# Altium PCB LimeSDR-PCIe_1v2.PcbDoc (part 4 of 9) (continued)
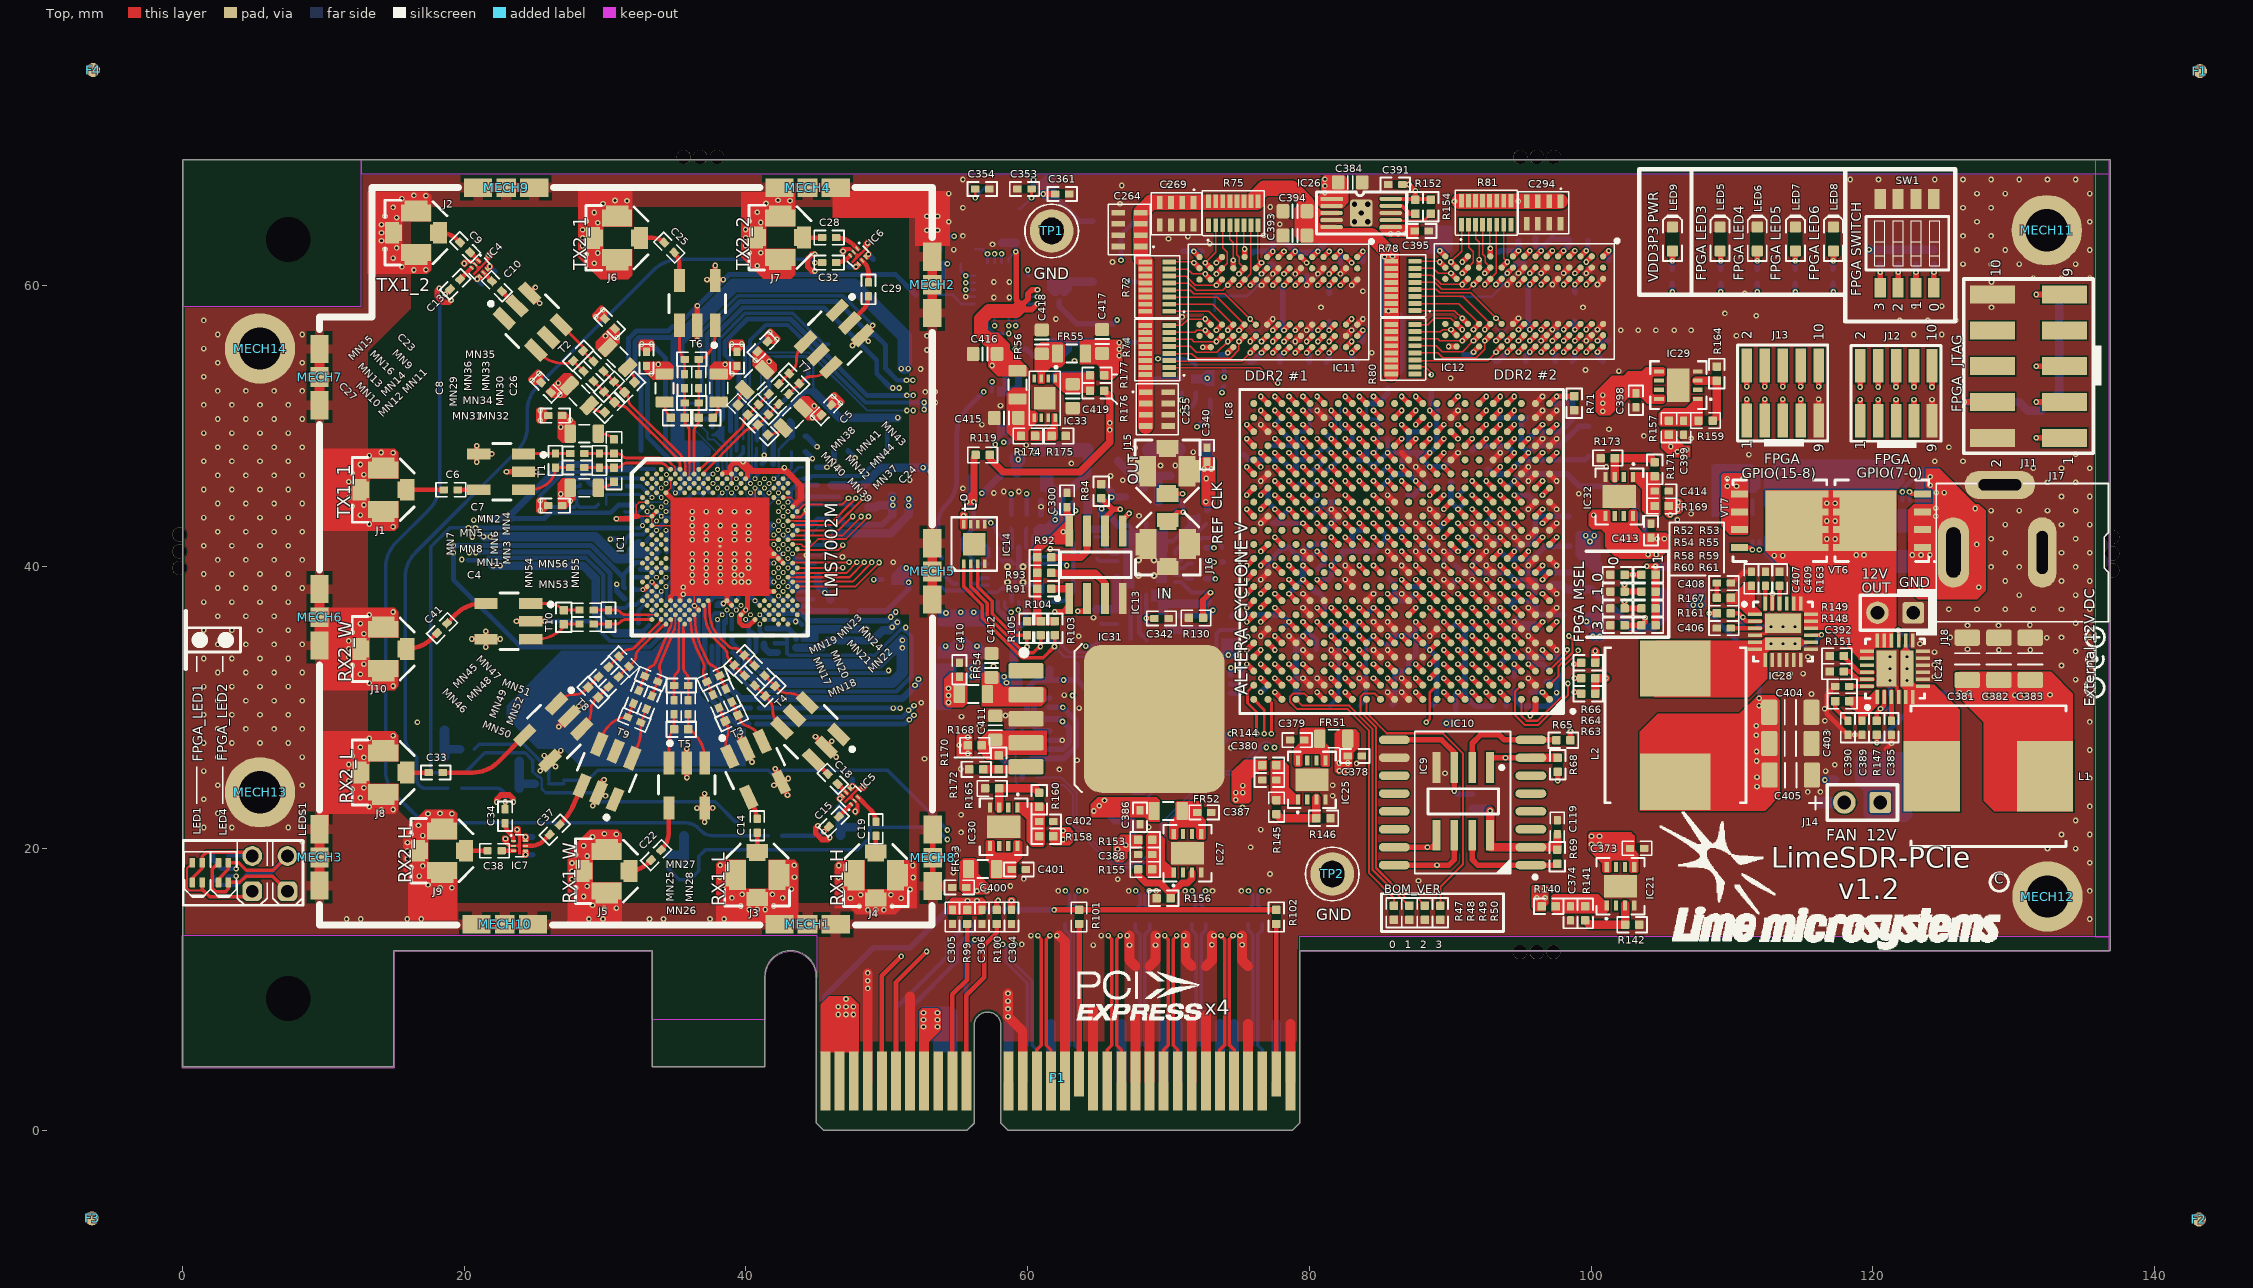
[diagram p0: Top view]
## Nets (pads, with @x,y where several pads share a name; then routed paths per layer and width w, separated by ;. In a path a pad name is that pad's centre, name@x,y a point inside that pad or via, vN(x,y) a via of type N, cw(c..) or ccw(c..) an arc to the next point about the centre after c; other vN are vias at no path point) (continued)
  Top w0.11: 32.225,43.675 32.225,44.4 32.421,44.596 IC1.H2@32.987,44.596 IC1.H2@32.99,44.599 ; 32.303,43.597 IC1.L3@33.32,43.597 ; IC1.N3@33.32,42.931 36.65,42.931 36.695,42.931 38.179,41.447 38.664,41.932 ; IC1.N3@33.323,43.03 IC1.L3@33.323,43.597 ; IC1.F6@34.319,45.262 34.652,45.595 IC1.C7@34.652,46.261 ; IC1.AK12@36.317,37.27 36.317,39.585 ; IC1.D20@38.981,45.928 IC1.B20@38.981,46.594 ; v2(40.646,45.595) 40.646,43.914 39.171,42.439 38.664,41.932 ; IC1.T30@42.311,41.932 38.664,41.932 ; IC1.G31@42.644,44.929 43.196,44.929 43.449,44.676 43.449,44.402
  Top w0.2: IC28.4@112,35.15 112.1,35.25 112.325,35.25 112.475,35.4 113.025,35.4 IC28.25@113.625,36 ; IC24.25@120.974,32.776 121.574,32.176 121.574,31.626 121.724,31.476 121.724,31.251 IC24.4@121.824,31.151
  Top w0.3: IC1.L3@33.32,43.597 IC1.K4@33.653,43.93 ; IC1.J33@43.31,44.263 43.449,44.402
  Top w0.325: C406.2@108.925,35.65 C406.2@109.044,35.65 ; C408.2@109.925,38.75 110.825,39.65 C407.2@111.325,39.65 ; C392.2@117.324,31.526 116.724,30.926 116.724,29.576 118.224,28.076 C389.2@119.082,28.076 ; 120.92,27.071 v1(121.324,27.476) C385.2@121.324,28.076 C385.2@121.324,28.195
  Top w0.35: v1(20.531,34.881) T10.4@21.531,34.881 ; v1(21.531,34.306) T10.4@21.531,34.881 ; v1(21.531,35.431) T10.4@21.531,34.881 ; v1(22.556,34.881) T10.4@21.531,34.881 ; v1(25.051,59.842) 24.644,59.434 v1(25.351,58.722) ; v1(25.399,25.532) T8.4@26.069,26.224 ; v1(25.674,26.607) T8.4@26.069,26.224 ; T8.4@26.096,26.252 T8.4@26.069,26.224 ; T8.4@26.152,26.236 v1(26.849,26.957) ; v1@26.395,25.91 T8.4@26.069,26.224 ; v1(29.127,23.042) T9.2@29.361,23.539 ; T9.2@29.529,23.976 v1(30.027,23.742) ; IC1.F6@34.319,45.262 36.65,42.931 ; IC1.AJ7@34.652,37.603 34.652,37.92 35.318,38.586 ; IC1.AJ9@35.318,37.603 35.318,38.586 ; IC1.AK12@36.317,37.27 IC1.AL13@36.65,36.937 ; v1(36.517,22.875) T5.4@37.069,22.893 ; T5.4@37.061,22.9 v1(37.065,23.904) ; v1(37.065,21.889) T5.4@37.069,22.893 ; v1(37.645,22.893) T5.4@37.069,22.893 ; IC1.B18@38.315,46.594 38.432,46.711 IC1.B20@38.864,46.711 ; IC1.AK20@38.981,37.27 IC1.AJ19@38.648,37.603 38.648,40.978 ; 39.5,47.377 39.614,47.264 40.097,46.78 40.097,46.407 39.965,46.276 IC1.C23@39.98,46.261 ; 40.45,46.806 40.45,46.9 39.85,47.5 39.251,47.5 38.864,47.113 IC1.B20@38.864,46.711 ; IC1.AN25@40.646,36.271 40.196,35.821 39.794,35.821 39.53,36.084 39.53,36.487 v2(39.98,36.937) 40.097,37.054 40.097,39.529 ; 41.464,41.447 IC1.W29@41.978,40.933 IC1.Y30@42.311,40.6 IC1.AA31@42.644,40.267 ; IC1.AG29@41.978,38.269 41.357,38.269 40.097,39.529 ; 43.449,44.402 43.899,44.852 ; T4.2@45.876,27.406 v1(46.092,27.622) ; v1(47.566,55.719) T7.3@48.278,56.426 ; T7.3@48.273,56.431 T7.3@48.278,56.426 ; T7.3@48.278,56.437 v1(48.991,57.144) ; v1(48.686,56.019) T7.3@48.278,56.426 ; 35.318,38.586 36.171,39.439 36.317,39.585 38.179,41.447 38.648,40.978 ; 38.648,40.978 40.097,39.529 ; IC1.B20@38.864,46.711 38.894,46.711 38.951,46.653 38.951,46.594 38.864,46.681 IC1.B20@38.864,46.711
  Top w0.4: v1(18.225,59.775) 18.075,59.625 18.075,59.218 18.5,58.793 18.907,58.793 v1(19.057,58.943) ; T1.6@20.879,48.022 T1.6@20.883,48.026 ; v1(20.884,47.447) 20.884,48.022 v1(20.884,48.597) ; T1.6@20.886,48.018 20.89,48.022 v1(21.959,48.022) ; v1(22.312,23.306) 22.312,23.518 22.6,23.806 23.2,23.806 23.488,23.518 v1(23.488,23.306) ; v1(23,46.752) 24.07,46.752 v1(25.139,46.752) ; v1(23.706,36.137) v1(25.731,36.137) ; T8.4@26.096,26.252 T8.4@26.449,26.605 ; v1(26.705,28.657) T8.2@27.447,29.399 ; T9.2@29.529,23.976 29.852,24.299 29.852,24.817 v1(29.927,24.892) ; v1(30.8,43.425) 31.85,43.425 32.022,43.597 32.303,43.597 ; T5.2@35.795,26.302 v1(35.795,27.102) ; v1(35.803,25.043) T5.2@35.803,25.843 ; v1(36.544,56.081) T6.2@36.544,57.151 ; T6.2@36.55,57.475 v1(36.55,58.545) ; v1(37.236,60.399) 37.811,60.399 v1(38.386,60.399) ; T6.6@37.814,60.331 v1(37.815,61.401) ; v1(39.549,28.001) 39.984,27.068 T3.2@40.308,26.373 ; T3.2@39.665,27.779 39.994,27.073 v1(40.424,26.151) ; v1(41.986,24.503) 42.492,24.739 T3.4@42.508,24.747 ; v1(42.074,25.676) T3.4@42.508,24.747 ; T3.4@42.19,25.429 T3.4@42.508,24.747 ; T3.4@42.833,24.048 42.512,24.738 T3.4@42.508,24.747 ; v1(42.949,23.801) 42.512,24.738 T3.4@42.508,24.747 ; v1(42.999,24.976) T3.4@42.508,24.747 ; v1(44.894,61.012) 44.682,61.012 44.394,61.3 44.394,61.9 44.682,62.188 v1(44.894,62.188) ; v1(44.939,27.954) T4.2@45.505,27.388 ; v1(45.113,21.626) 44.963,21.476 44.963,21.069 45.387,20.645 45.795,20.645 v1(45.945,20.795) ; T4.2@45.836,27.07 v1(46.402,26.504) ; MECH8.1@53.25,17.35 MECH8.1@53.25,19.35 MECH8.1@53.25,21.35 ; v1(72.434,55.6) IC11.P9@73,55.6 ; v1(73.4,61.6) IC11.N1@73.8,62 ; v1(76.55,33.1) IC8.C21@77.05,32.6 ; v1(76.55,35.1) IC8.F21@77.05,35.6 ; v1(76.55,39.1) IC8.K21@77.05,39.6 ; v1(76.55,43.1) IC8.P21@77.05,43.6 ; v1(76.55,46.1) IC8.U21@77.05,46.6 ; v1(76.55,50.1) IC8.Y21@77.05,49.6 ; v1(76.6,60) IC11.J3@77,60.4 ; IC11.J7@77,57.2 v1(77.4,57.6) ; v1(77.4,56) IC11.H8@77.8,56.4 ; v1(77.4,60.8) IC11.H2@77.8,61.2 ; v1(78.55,35.1) IC8.E19@79.05,34.6 ; v1(78.55,48.1) IC8.V19@79.05,47.6 ; v1(79,56) IC11.F8@79.4,56.4 ; v1(79,60.8) IC11.F2@79.4,61.2 ; v1(79.55,32.1) IC8.B18@80.05,31.6 ; v1(79.55,34.1) IC8.D18@80.05,33.6 ; v1(79.55,37.1) IC8.G18@80.05,36.6 ; v1(79.55,38.1) IC8.H18@80.05,37.6 ; v1(79.55,41.1) IC8.L18@80.05,40.6 ; v1(79.55,44.1) IC8.P18@80.05,43.6 ; v1(79.8,56.8) IC11.E7@80.2,57.2 ; v1(79.8,60) IC11.E3@80.2,60.4 ; v1(80.55,32.1) IC8.B17@81.05,31.6 ; v1(80.55,47.1) IC8.U17@81.05,46.6 ; v1(80.55,51.1) IC8.AA17@81.05,50.6 ; v1(80.6,56) IC11.D8@81,56.4 ; v1(80.6,60.8) IC11.D2@81,61.2 ; v1(81.55,34.1) IC8.D16@82.05,33.6 ; v1(81.55,44.1) IC8.P16@82.05,43.6 ; v1(82.2,60.8) IC11.B2@82.6,61.2 ; v1(82.55,36.1) IC8.F15@83.05,35.6 ; v1(82.55,39.1) IC8.J15@83.05,38.6 ; v1(82.55,40.1) IC8.K15@83.05,39.6 ; IC11.B8@82.6,56.4 v1(83,56.8) ; v1(83,60) IC11.A3@83.4,60.4 ; IC11.A7@83.4,57.2 v1(83.8,57.6) ; v1(83.55,32.1) IC8.B14@84.05,31.6 ; v1(83.55,48.1) IC8.V14@84.05,47.6 ; v1(83.55,51.1) IC8.AA14@84.05,50.6 ; IC8.H14@84.05,37.6 v1(84.55,38.1) ; v1(84.55,34.1) IC8.D13@85.05,33.6 ; v1(84.55,36.1) IC8.F13@85.05,35.6 ; v1(85.55,31.1) IC8.A12@86.05,30.6 ; v1(85.55,34.1) IC8.D12@86.05,33.6 ; v1(85.55,36.1) IC8.F12@86.05,35.6 ; v1(85.55,41.1) IC8.L12@86.05,40.6 ; v1(85.55,45.1) IC8.R12@86.05,44.6 ; v1(86.55,31.1) IC8.A11@87.05,30.6 ; v1(86.55,32.1) IC8.B11@87.05,31.6 ; v1(86.55,38.1) IC8.H11@87.05,37.6 ; v1(86.55,40.1) IC8.K11@87.05,39.6 ; 86.55,48.1 IC8.V11@87.05,47.6 ; IC8.AA11@87.05,50.6 v1(87.55,51.1) ; v1(87.55,41.1) IC8.L10@88.05,40.6 ; v1(87.55,43.1) IC8.N10@88.05,42.6 ; v1(87.55,47.1) IC8.U10@88.05,46.6 ; v1(88.55,35.1) IC8.F9@89.05,35.6 ; v1(88.55,42.1) IC8.M9@89.05,41.6 ; v1(88.55,44.1) IC8.P9@89.05,43.6 ; v1(89.55,32.1) IC8.B8@90.05,31.6 ; v1(89.55,39.1) IC8.J8@90.05,38.6 ; v1(89.55,41.1) IC8.L8@90.05,40.6 ; v1(89.884,55.65) IC12.P9@90.45,55.65 ; IC8.V8@90.05,47.6 v1(90.55,48.1) ; IC8.AA8@90.05,50.6 v1(90.55,51.1) ; v1(90.55,35.1) IC8.E7@91.05,34.6 ; v1(90.85,61.65) IC12.N1@91.25,62.05 ; v1(91.55,39.1) IC8.J6@92.05,38.6 ; v1(91.55,43.1) IC8.N6@92.05,42.6 ; v1(91.55,45.1) IC8.R6@92.05,44.6 ; IC8.L6@92.05,40.6 v1(92.55,41.1) ; v1(92.55,32.1) IC8.B5@93.05,31.6 ; v1(92.55,38.1) IC8.H5@93.05,37.6 ; v1(92.55,40.1) IC8.K5@93.05,39.6 ; v1(92.55,42.1) IC8.M5@93.05,41.6 ; IC8.V5@93.05,47.6 v1(93.55,48.1) ; IC8.AA5@93.05,50.6 v1(93.55,51.1) ; v1(93.55,43.1) IC8.N4@94.05,42.6 ; v1(93.55,46.1) IC8.T4@94.05,45.6 ; v1(94.05,60.05) IC12.J3@94.45,60.45 ; IC12.J7@94.45,57.25 v1(94.85,57.65) ; v1(94.55,36.1) IC8.F3@95.05,35.6 ; v1(94.55,42.1) IC8.M3@95.05,41.6 ; v1(94.85,56.05) IC12.H8@95.25,56.45 ; v1(94.85,60.85) IC12.H2@95.25,61.25 ; IC8.U3@95.05,46.6 v1(95.55,47.1) ; v1(95.55,32.1) IC8.B2@96.05,31.6 ; v1(95.55,34.1) IC8.D2@96.05,33.6 ; v1(95.55,35.1) IC8.E2@96.05,34.6 ; v1(95.55,37.1) IC8.G2@96.05,36.6 ; 95.55,39.1 IC8.J2@96.05,38.6 ; v1(95.55,40.1) IC8.L2@96.05,40.6 ; v1(95.55,42.1) IC8.N2@96.05,42.6 ; v1(95.55,44.1) IC8.R2@96.05,44.6 ; v1(95.55,46.1) IC8.U2@96.05,46.6 ; IC8.W2@96.05,48.6 v1(96.55,49.1) ; IC8.AA2@96.05,50.6 v1(96.55,51.1) ; IC8.AB2@96.05,51.6 v1(96.55,52.1) ; v1(96.45,56.05) IC12.F8@96.85,56.45 ; v1(96.45,60.85) IC12.F2@96.85,61.25 ; IC8.E1@97.05,34.6 v1(97.55,34.1) ; IC8.G1@97.05,36.6 v1(97.55,37.1) ; IC8.J1@97.05,38.6 v1(97.55,38.1) ; IC8.L1@97.05,40.6 v1(97.55,40.1) ; IC8.N1@97.05,42.6 v1(97.55,43.1) ; IC8.R1@97.05,44.6 v1(97.55,44.1) ; IC8.U1@97.05,46.6 v1(97.55,46.1) ; IC8.W1@97.05,48.6 v1(97.55,49.1) ; IC8.AA1@97.05,50.6 v1(97.55,51.1) ; v1(97.25,56.85) IC12.E7@97.65,57.25 ; v1(97.25,60.05) IC12.E3@97.65,60.45 ; v1(98.05,56.05) IC12.D8@98.45,56.45 ; v1(98.05,60.85) IC12.D2@98.45,61.25 ; v1(99.65,56.05) IC12.B8@100.05,56.45 ; v1(99.65,60.85) IC12.B2@100.05,61.25 ; v1(100.45,56.85) IC12.A7@100.85,57.25 ; v1(100.45,60.05) IC12.A3@100.85,60.45 ; J13.9@116.15,50.4 v1(116.15,51.9) ; J12.9@124.2,50.375 v1(124.2,51.875)
  Top w0.45: 40.45,46.806 42.725,46.806 42.849,46.806 43.899,45.756 43.899,44.852
  Top w0.7: MECH3.1@9.725,17.375 MECH3.1@9.725,19.375 MECH3.1@9.725,21.375 ; MECH6.1@9.725,34.425 MECH6.1@9.725,36.425 MECH6.1@9.725,38.425 ; MECH7.1@9.725,51.475 MECH7.1@9.725,53.475 MECH7.1@9.725,55.475 ; MECH10.1@20.875,14.625 MECH10.1@22.875,14.625 MECH10.1@24.875,14.625 ; MECH9.1@20.975,66.925 MECH9.1@22.975,66.925 MECH9.1@24.975,66.925 ; MECH1.1@42.375,14.625 MECH1.1@44.375,14.625 MECH1.1@46.375,14.625 ; MECH4.1@42.375,66.925 MECH4.1@44.375,66.925 MECH4.1@46.375,66.925 ; P1.B4@48.65,3.5 v1@48.65,11.125 ; P1.B7@51.65,3.5 51.65,9.5 ; MECH5.1@53.225,37.675 MECH5.1@53.225,39.675 MECH5.1@53.225,41.675 ; MECH2.1@53.225,58.025 MECH2.1@53.225,60.025 MECH2.1@53.225,62.025 ; v1(58.6,9.725) v1(58.6,8.075) 59.6,7.075 ; P1.B13@59.65,3.5 59.65,7.025 ; v1@62.225,13.825 62.65,13.4 P1.B16@62.65,3.5 ; P1.B18@64.65,3.5 64.65,8.55 ; v1@67.225,13.825 67.225,12.075 67.65,11.65 ; P1.B21@67.65,3.5 67.65,8.25 ; P1.B22@68.65,3.5 68.65,7.85 ; 68.65,11.65 69.075,12.075 v1@69.075,13.825 ; v1@71.225,13.825 71.225,12.075 71.65,11.65 ; P1.B25@71.65,3.5 71.65,7.85 ; P1.B26@72.65,3.5 72.65,8.15 ; 72.65,11.65 73.075,12.075 v1@73.075,13.825 ; v1@75.225,13.825 75.225,12.075 75.65,11.65 ; P1.B29@75.65,3.5 75.65,7.55 ; P1.B32@78.65,3.5 78.65,7.55
  Bottom w0.11: C51.2@42.672,40.233 42.672,40.264 43.114,40.264 43.401,39.976 C55.2@43.449,39.976
  Bottom w0.13: C65.2@36.085,51.631 35.802,51.348 35.802,50.286 37.974,48.114 C73.2@37.974,47.961
  Bottom w0.15: 44.625,40.825 45.36,40.825 46.104,41.569 46.104,41.581 46.099,41.586 46.099,42.7 45.918,42.881 45.174,42.881 44.754,42.461 C45.2@44.754,42.356 ; C108.2@81.05,50.625 81.555,50.625 81.93,50.25 81.93,48.745 C126.2@82.075,48.6
  Bottom w0.17: C76.2@39.794,49.079 39.794,51.12 40.26,51.586 40.26,55.211 41.685,56.636 v1(41.685,56.648)
  Bottom w0.2: 35.354,38.711 C98.2@35.354,39.031 ; 35.354,39.351 C98.2@35.354,39.031 ; 35.674,39.031 C98.2@35.354,39.031 ; v1(37.184,43.927) 37.369,44.112 C71.2@37.369,44.761 ; v2(40.646,45.595) 40.761,45.595 41.479,44.876 C63.2@41.479,44.806 ; v1(55.6,59.175) IC20.7@56.225,59.175
  Bottom w0.25: v1(25.395,44.003) 25.645,44.253 27.828,44.253 28,44.425 ; C72.2@28.231,45.856 28.231,45.728 28.02,45.728 27.806,45.514 27.806,45.065 28,44.871 28,44.425 ; C70.2@29.519,44.431 29.338,44.25 28.175,44.25 28,44.425 ; C65.2@36.085,51.631 C64.2@36.781,51.631 36.844,51.694 36.844,56.68 39.414,59.25 46.885,59.25 v1(48.991,57.144) ; C66.2@38.275,50.38 38.4,50.505 38.4,53.894 38.094,54.2 38.094,56.162 39.932,58 43.327,58 45.508,55.819 45.875,55.819 ; C94.2@42.904,33.856 43.035,33.725 49.148,33.725 51.074,35.651 ; IC16.19@57.2,38.212 57.875,38.212 58.239,38.577 58.239,38.437 58.772,38.437 59.05,38.716 59.05,39.248 58.911,39.248 58.929,39.266 IC16.25@59.125,39.462 59.375,39.712 v3(59.675,40.012) 60.375,40.712 IC16.7@61.05,40.712 61.75,40.712 C321.1@62.25,41.212 ; IC16.1@57.875,41.387 57.875,40.712 58.239,40.348 58.239,40.487 58.772,40.487 IC16.25@59.05,40.209
  Bottom w0.29: 40.224,34.106 40.299,34.031 40.299,33.5 40.304,33.495 40.304,33.125 40.974,32.455 49.93,32.455 v1(50.125,32.65)
  Bottom w0.3: 20.225,40.475 21.531,40.475 21.7,40.644 28.649,40.644 29.87,39.422 29.87,36.921 30.265,36.526 31.639,36.526 C87.2@31.819,36.706 ; v1(25.395,44.703) 25.395,45.077 27.074,46.756 28.79,46.756 29.233,46.313 31.752,46.313 31.779,46.286 32.628,46.286 C81.2@33.176,45.739 ; v1(25.731,36.137) 28.963,36.137 30.35,34.75 32.968,34.75 33.874,35.656 C91.2@33.874,35.826 ; C79.2@35.504,43.681 35.749,43.927 v1(36.184,43.927) ; C83.2@37.949,37.261 38.094,37.406 v4(38.399,37.406) ; C89.2@38.592,32.368 38.899,32.675 39.004,32.675 ; C84.2@39.004,33.156 39.004,32.675 ; C90.2@39.454,37.731 39.454,38.326 ; 39.594,41.481 40.024,41.481 40.024,41.767 v1(40.184,41.927) ; v1(40.184,39.927) 40.374,39.736 C46.2@41.474,39.736 ; v1(40.184,40.927) 40.274,40.836 C56.2@41.474,40.836 ; C93.2@42.024,34.576 42.764,34.576 ; C96.2@42.799,35.026 42.904,34.921 C94.2@42.904,33.856 ; C55.2@43.449,39.976 43.449,39.074 ; C49.2@43.524,43.544 43.524,44.076 43.659,44.211 43.778,44.211 43.949,44.383 43.949,44.89 ; C49.2@43.569,43.544 C48.2@44.281,43.544 ; C53.2@43.729,45.281 43.729,45.11 43.949,44.89 ; C43.2@44.124,38.261 43.317,38.261 v2(42.977,38.602) 43.449,39.074 ; C54.2@44.224,39.701 44.224,39.431 43.866,39.074 43.449,39.074 ; 46.585,44.986 45.224,44.986 C59.2@44.449,44.986 44.045,44.986 43.949,44.89 ; 51.092,35.633 51.278,35.447 51.373,35.447 51.753,35.066 51.753,32.234 50.669,31.15 40.555,31.15 39.03,32.675 39.004,32.675 ; IC16.16@58.875,37.537 58.875,38.505 59.075,38.705 59.075,39.266 IC16.25@58.929,39.266 ; IC16.25@59.125,39.462 v3(59.675,38.912) ; IC16.25@59.875,38.712 IC16.11@61.05,38.712 IC16.12@61.05,38.212 ; IC19.10@69.425,41.825 70.325,41.825 71.55,43.05 71.975,43.05 72.1,43.175 72.1,43.443 72.125,43.468 72.125,43.625 ; C132.2@94.075,38.625 95.661,38.625 96,38.286 96,38.15 96.05,38.1 ; IC22.7@111.45,43.775 IC22.4@111.45,44.71
  Bottom w0.325: C77.2@39.779,44.781 40.184,44.376 v1(40.184,43.927) ; R166.2@111.75,35.75 v3(114.475,35.75) ; R150.1@121.224,30.901 v3(121.224,32.776) v3(121.224,33.626)
  Bottom w0.35: C85.2@32.554,48.266 32.55,48.27 32.55,53.113 31.67,53.993 31.67,56.209 32.212,56.751 34.491,56.751 34.816,57.076 35.118,57.076 38.793,60.75 50.625,60.75 52.075,59.3 ; v1(33.295,55.826) 34.275,54.846 34.275,48.591 35.199,47.667 C62.2@35.2,47.511 ; C86.2@39.53,36.206 39.53,36.487 v2(39.98,36.937) ; 40.224,34.106 C80.2@40.224,34.776 ; C60.2@41.124,47.286 41.3,47.462 41.3,50.4 44.389,53.489 44.389,54.332 ; C95.2@42.874,36.236 43.644,36.236 C97.2@43.976,35.904
  Bottom w0.4: v1(30.375,41.975) 30.394,41.956 C69.2@30.869,41.956 ; v1(30.8,43.425) 30.835,43.39 31.375,43.39 31.485,43.5 32.044,43.5 C82.2@32.044,43.506 ; v1(30.825,38.775) 30.825,38.3 C100.2@31.394,37.731 ; C99.2@32.524,39.836 35.239,39.836 ; v1(37.184,41.927) 37.684,41.927 R11.2@38.404,42.646 ; v1(39.184,41.927) 39.123,41.927 R11.2@38.404,42.646 ; v1(39.184,42.927) 38.684,42.927 R11.2@38.404,42.646 ; IC16.25@59.375,39.712 IC16.4@59.375,41.387 ; C327.1@60.95,43.712 C316.1@60.95,44.737 ; IC2.7@61.55,27.7 v1(62.45,27.7) ; C352.1@73.825,40.35 C352.1@73.875,40.35 ; v1(79.55,41.1) 80.025,41.575 C203.2@80.075,41.575 80.196,41.454 80.343,41.6 80.854,41.6 81.05,41.404 81.05,40.3 C165.1@80.625,39.875 ; v1(79.8,60) 79.8,60.625 C270.1@79.825,60.65 ; C216.2@80.05,46.6 v1(80.55,47.1) 80.6,47.1 C200.2@81.05,47.55 ; C227.2@81.05,43.55 81.05,43.6 v1(81.55,44.1) ; C139.1@87,45.1 87.425,45.1 88.325,46 ; v1(94.55,36.1) 95.025,36.575 C174.2@95.025,36.625 ; C219.2@97.075,42.575 97.075,42.625 v1(97.55,43.1)
  Bottom w0.6: C337.1@64.25,43.675 C336.1@64.25,44.675 ; 64.875,37 C348.1@66.275,37 ; C348.1@66.325,37.05 66.325,39.2 ; 69.875,35.55 C338.2@70.625,35.55 C339.2@72.625,35.55
  Bottom w0.7: P1.A4@48.65,3.5 48.65,7.55 ; P1.A12@58.65,3.5 58.65,7.55 ; P1.A15@61.65,3.5 61.65,7.55 ; P1.A18@64.65,3.5 64.65,7.55 ; P1.A20@66.65,3.5 66.65,7.55 ; P1.A23@69.65,3.5 69.65,7.55 ; P1.A24@70.65,3.5 70.65,7.55 ; P1.A27@73.65,3.5 73.65,7.55 ; P1.A28@74.65,3.5 74.65,7.55 ; P1.A31@77.65,3.5 77.65,7.55
  Bottom w1: 62.125,53.425 64.15,53.425 XO2.2@64.225,53.5
  other v1: 58.6,8.625 58.6,9.175 48.65,10.075 48.65,10.625 48.65,11.175 64.65,13.15 67.225,13.15 69.075,13.15 71.25,13.15 73.075,13.175 75.225,13.175 57.725,13.2 59.575,13.2 60.225,13.825 62.075,13.825 65.225,13.825 67.075,13.825 69.225,13.825 71.075,13.825 73.225,13.825 75.075,13.825 11.65,15 12.65,15 15.95,15 16.95,15 28.85,15 29.85,15 33.15,15 34.15,15 37.45,15 38.45,15 135.4,15 48.641,15.65 49.216,15.65 49.791,15.65 40.225,15.675 40.8,15.675 41.375,15.675 29.95,15.75 30.8,15.775 48.041,15.9 50.391,15.9 39.625,15.925 41.975,15.925 29.1,15.975 47.416,16.475 51.016,16.475 39,16.5 42.6,16.5 28.475,16.6 39.725,16.75 41.875,16.75 48.141,16.725 50.291,16.725 62.175,17 64.125,17 67.175,17 69.125,17 71.175,17 73.125,17 75.175,17 77.125,17 135.4,17 46.791,17.1 51.641,17.1 38.375,17.125 43.225,17.125 18.275,17.2 19.125,17.225 27.9,17.225 28.725,17.325 58.775,17.35 17.425,17.425 87.75,17.725 27.65,17.825 66.4,17.825 59.725,17.85 46.566,17.95 51.866,17.95 38.15,17.975 43.45,17.975 16.8,18.05 77.2,18.2 54.725,18.3 27.65,18.4 16.225,18.675 17.05,18.775 46.591,18.8 51.841,18.8 38.175,18.825 43.425,18.825 27.65,18.975 135.4,19 15.975,19.275 28.725,19.475 27.9,19.575 15.975,19.85 55.025,19.875 132.4,20 134.4,20 75.825,20.1 28.475,20.2 15.975,20.425 8.5,20.5 22.925,20.7 29.1,20.825 17.05,20.925 133.4,21 135.4,21 16.225,21.025 30.8,21.025 29.95,21.05 55.275,21.15 23.75,21.35 76.55,21.35 1.5,21.5 3.5,21.5 7.5,21.5 68.6,21.525 16.75,21.65 134.4,22 55.275,22.4 17.425,22.475 19.125,22.475 2.5,22.5 8.5,22.5 18.275,22.5 47.764,22.632 14.1,22.75 14.95,22.775 75.25,22.925 13.25,22.975 135.4,23 1.5,23.5 12.625,23.6 81.65,23.75 115.375,24.025 116.275,24.025 12.05,24.225 12.875,24.325 48.347,24.383 2.5,24.5 8.5,24.5 81.65,24.5 11.8,24.825 135.4,25 89.625,25.35 11.8,25.4 1.5,25.5 116.65,25.5 62.25,25.625 55.25,25.65 26.474,25.832 117.3,25.95 11.8,25.975 83.35,26.05 63.5,26.275 52.675,26.375 12.875,26.475 2.5,26.5 8.5,26.5 12.05,26.575 135.4,27 74.425,27.15 12.625,27.2 1.5,27.5 3.5,27.5 5.5,27.5 7.5,27.5 116.725,27.525 13.25,27.825 14.95,28.025 118.725,28.076 116.725,28.275 2.5,28.5 4.5,28.5 6.5,28.5 8.5,28.5 56.575,28.725 16.675,28.975 135.4,29 116.6,29.075 55.3,29.375 58.425,29.45 1.5,29.5 3.5,29.5 5.5,29.5 7.5,29.5 116.575,29.925 63.65,29.975 28.149,30.107 52.45,30.35 2.5,30.5 4.5,30.5 6.5,30.5 8.5,30.5 62.6,30.9 115.65,30.975 135.4,31 1.5,31.5 3.5,31.5 5.5,31.5 7.5,31.5 14.95,31.55 13.25,31.75 134.4,32 124.374,32.201 12.625,32.375 113.3,32.425 114.15,32.425 115.05,32.425 2.5,32.5 4.5,32.5 6.5,32.5 8.5,32.5 57.575,32.95 12.05,33 133.4,33 135.4,33 124.374,33.051 12.875,33.1 1.5,33.5 3.5,33.5 5.5,33.5 7.5,33.5 11.8,33.6 115.4,33.625 124.374,33.951 134.4,34 128.95,34.1 131.175,34.1 126.724,34.151 11.8,34.175 2.5,34.5 4.5,34.5 6.5,34.5 8.5,34.5 123.349,34.551 11.8,34.75 132.35,34.975 125.5,35 133.4,35 135.4,35 63.625,35.075 12.875,35.25 12.05,35.35 1.5,35.5 3.5,35.5 5.5,35.5 7.5,35.5 51.35,35.7 126.725,35.85 128.925,35.85 131.15,35.875 12.625,35.975 134.4,36 43.525,36.125 64.675,36.4 2.5,36.5 4.5,36.5 6.5,36.5 8.5,36.5 13.25,36.6 14.95,36.8 125.4,37 127.4,37 129.4,37 131.4,37 133.4,37 135.4,37 1.5,37.5 3.5,37.5 5.5,37.5 7.5,37.5 130.4,38 134.4,38 35.549,38.056 2.5,38.5 4.5,38.5 6.5,38.5 8.5,38.5 35.549,38.556 36.184,38.927 37.184,38.927 38.184,38.937 39.184,38.927 39.684,38.927 40.184,38.927 129.4,39 133.4,39 135.4,39 36.184,39.427 37.184,39.427 39.184,39.427 39.684,39.427 38.184,39.437 1.5,39.5 3.5,39.5 5.5,39.5 7.5,39.5 36.184,39.927 37.184,39.927 38.184,39.937 39.184,39.927 128.4,40 130.4,40 134.4,40 50.45,40.325 36.184,40.427 37.184,40.427 38.184,40.437 39.184,40.427 40.184,40.427 2.5,40.5 4.5,40.5 6.5,40.5 8.5,40.5 19.825,40.525 46.85,40.7 44.275,40.825 36.184,40.927 37.184,40.927 39.184,40.927 38.184,40.937 129.4,41 133.4,41 135.4,41 61.6,41.275 1.5,41.5 3.5,41.5 5.5,41.5 7.5,41.5 36.184,41.927 38.184,41.937 128.4,42 134.4,42 20.575,42.125 36.184,42.427 37.184,42.427 39.184,42.427 40.184,42.427 2.5,42.5 4.5,42.5 6.5,42.5 8.5,42.5 14.95,42.85 36.184,42.927 37.184,42.927 38.184,42.937 40.184,42.927 129.4,43 133.4,43 135.4,43 13.25,43.05 20.675,43.325 106.125,43.35 36.184,43.427 1.5,43.5 3.5,43.5 5.5,43.5 7.5,43.5 67.9,43.625 12.625,43.675 107.1,43.775 39.184,43.927 38.184,43.937 128.4,44 130.4,44 132.4,44 134.4,44 60.95,44.275 12.05,44.3 12.875,44.4 2.5,44.5 4.5,44.5 6.5,44.5 8.5,44.5 11.8,44.9 133.4,45 135.4,45 99.125,45.2 57.6,45.25 58.3,45.35 59.375,45.35 11.8,45.475 1.5,45.5 3.5,45.5 5.5,45.5 7.5,45.5 55.4,45.575 132.4,46 134.4,46 11.8,46.05 66.75,46.15 51.625,46.175 65.875,46.45 2.5,46.5 4.5,46.5 6.5,46.5 8.5,46.5 12.875,46.55 12.05,46.65 131.4,47 133.4,47 135.4,47 42.725,47.05 46.575,47.075 101.075,47.1 69.425,47.2 70.475,47.2 12.625,47.275 63.1,47.35 39.8,47.475 1.5,47.5 3.5,47.5 5.5,47.5 7.5,47.5 124.4,47.5 126.4,47.5 67.35,47.675 13.25,47.9 41.304,47.931 111.2,47.975 134.4,48 14.95,48.1 14.1,48.125 71.75,48.15 67.625,48.45 2.5,48.5 4.5,48.5 6.5,48.5 8.5,48.5 125.4,48.5 59.9,48.65 107.1,49.125 103.75,49.3 1.5,49.5 3.5,49.5 5.5,49.5 7.5,49.5 101.275,49.775 56.75,50.1 25.395,50.403 2.5,50.5 4.5,50.5 6.5,50.5 8.5,50.5 25.395,51.103 58.075,51.45 1.5,51.5 3.5,51.5 5.5,51.5 7.5,51.5 46.705,51.628 53.45,51.675 46.21,52.123 52.725,52.425 53.425,52.425 2.5,52.5 4.5,52.5 6.5,52.5 8.5,52.5 24.811,53.24 90.025,53.4 1.5,53.5 25.306,53.735 101.975,53.9 99.6,53.975 52.4,54.05 2.5,54.5 8.5,54.5 63.325,54.625 84.425,55.2 52.85,55.4 1.5,55.5 32.595,55.826 38.995,55.826 39.695,55.826 42.18,56.153 52.85,56.4 110.314,56.414 2.5,56.5 8.5,56.5 122.9,56.5 124.9,56.5 102.1,56.8 103.35,56.8 104.6,56.8 105.9,56.8 107.1,56.8 1.5,57.5 121.9,57.5 123.9,57.5 125.9,57.5 62,57.6 29.336,57.766 70.975,57.75 111.728,57.828 109.5,58 29.831,58.261 80.825,58.425 99.425,58.425 128.425,58.425 122.9,58.5 124.9,58.5 57.6,59.125 58.7,59.125 110.914,59.414 83.8,59.575 57.6,60.225 58.7,60.225 128.425,60.225 131.4,60.5 133.4,60.5 135.4,60.5 16.425,61.075 17.275,61.1 15.575,61.3 40.8,61.375 126.4,61.5 128.4,61.5 130.4,61.5 134.4,61.5 20.006,61.537 29.225,61.56 66.025,61.65 14.95,61.925 21.756,62.121 28.65,62.185 29.475,62.285 40.225,62.3 41.05,62.3 46.886,62.407 127.4,62.5 129.4,62.5 135.4,62.5 54.75,62.525 14.375,62.55 15.2,62.65 28.4,62.785 39.975,62.8 57.5,62.9 72.925,62.95 48.636,62.99 14.125,63.15 70,63.3 28.4,63.36 39.975,63.375 71.375,63.45 55.4,63.5 126.4,63.5 128.4,63.5 76.775,63.55 14.125,63.725 52.85,63.9 53.6,63.9 28.4,63.935 39.975,63.95 14.125,64.3 77.9,64.325 29.475,64.435 41.05,64.45 54.4,64.5 127.4,64.5 135.4,64.5 28.65,64.535 40.225,64.55 15.2,64.8 14.375,64.9 52.85,64.9 53.6,64.9 77.225,64.925 29.225,65.16 40.8,65.175 55.4,65.5 126.4,65.5 128.4,65.5 14.95,65.525 77.225,65.55 29.85,65.785 66.55,65.775 41.425,65.8 31.55,65.985 43.125,66 30.7,66.01 42.275,66.025 15.575,66.15 17.275,66.35 16.425,66.375 54.4,66.5 127.4,66.5 129.4,66.5 135.4,66.5 14.325,66.9 16.325,66.9 18.325,66.9 27.625,66.9 29.625,66.9 31.625,66.9 33.625,66.9 35.625,66.9 37.625,66.9 39.625,66.9 66.675,67.075 70.025,67.075 55.4,67.5 118.4,67.5 120.4,67.5 122.4,67.5 124.4,67.5 126.4,67.5 128.4,67.5 130.4,67.5 132.4,67.5 134.4,67.5
  other v2: 36.349,37.238 42.311,41.266 34.35,46.55
  other v3: 121.224,31.926 112.775,35.75 113.625,35.75 58.575,38.912 67.875,39.375 68.975,39.375 58.575,40.012 67.875,40.475 68.975,40.475
LM75_OS: IC8.K14 IC14.3 R105.2 | length 41.5
  Top w0.25: IC14.3@56.45,40.225 56.45,38.6 57.475,37.575 57.475,36.675 59,35.15 R105.2@59.95,35.15 v1(59.95,34.325)
  Top w0.4: v1(83.55,40.1) IC8.K14@84.05,39.6
  L3 w0.1: v1(59.95,34.325) 60.475,33.8 63.184,33.8 65.734,31.25 74.654,31.25 75.029,30.875 75.967,30.875 76.292,30.55 80.495,30.55 83.2,33.255 83.2,39.75 v1(83.55,40.1)